# Altium PCB LOGI-BONE.PcbDoc (part 4 of 4)
Units mil, origin at the board's own origin, x right, y up, seen from the top; angles counter-clockwise.
Board outline 3400 x 2252.63 mil, 4 copper layers (Top Layer, GND, VDD, Bottom Layer); 132 components, 150 nets, 640 pads, 358 vias.
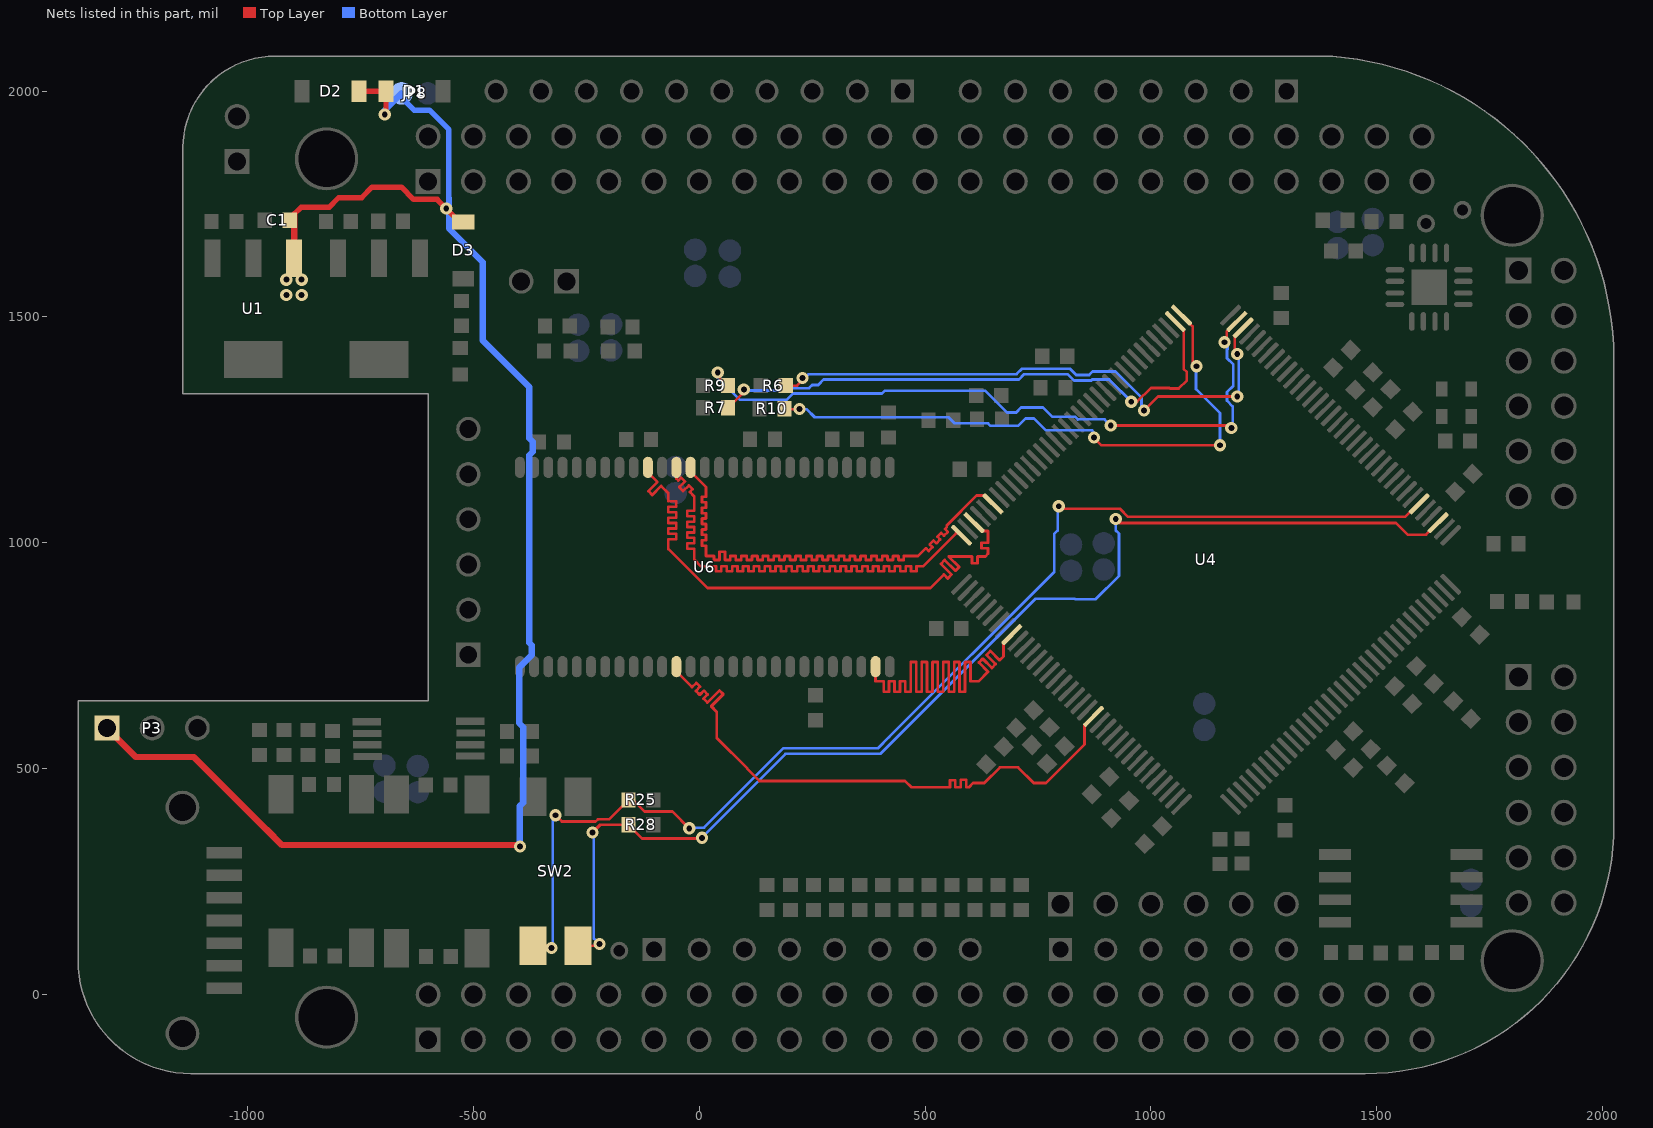
[diagram p6: the nets of this part, all layers, seen from the top]

## Via types
v1: diameter 27, hole 13, Top Layer to Bottom Layer, tented both sides, 194 vias
v2: diameter 27, hole 13, Top Layer to Bottom Layer, 158 vias
v3: diameter 25.98, hole 12.99, Top Layer to Bottom Layer, tented both sides, 4 vias
v4: diameter 27, hole 15, Top Layer to Bottom Layer, tented both sides, 2 vias

## Nets (pads, with @x,y where several pads share a name; then routed paths per layer and width w, separated by ;. In a path a pad name is that pad's centre, name@x,y a point inside that pad or via, vN(x,y) a via of type N, cw(c..) or ccw(c..) an arc to the next point about the centre after c; other vN are vias at no path point) (continued)
SD-DQ15: U4.9 U6.53 | length 2780.4
  Top Layer w6: 390.42,693.45 408.42,693.45 ; 390.42,693.45 U6.53@390.42,726.08 390.42,693.45 ; 390.42,693.45 408.42,693.45 ; 408.42,670.5 408.42,693.45 ; 408.42,670.5 420.42,670.5 ; 408.42,670.5 408.42,693.45 ; 408.42,670.5 420.42,670.5 ; 420.42,670.5 420.42,693.45 ; 420.42,670.5 420.42,693.45 ; 420.42,693.45 432.42,693.45 ; 420.42,693.45 432.42,693.45 ; 432.42,670.5 432.42,693.45 ; 432.42,670.5 444.42,670.5 ; 432.42,670.5 432.42,693.45 ; 432.42,670.5 444.42,670.5 ; 444.42,670.5 444.42,693.45 ; 444.42,670.5 444.42,693.45 ; 444.42,693.45 456.42,693.45 ; 444.42,693.45 456.42,693.45 ; 456.42,670.5 456.42,693.45 ; 456.42,670.5 468.42,670.5 ; 456.42,670.5 456.42,693.45 ; 456.42,670.5 468.42,670.5 ; 468.42,670.5 468.42,736.27 ; 468.42,670.5 468.42,736.27 ; 468.42,736.27 480.42,736.27 ; 468.42,736.27 480.42,736.27 ; 480.42,670.5 480.42,736.27 ; 480.42,670.5 492.42,670.5 ; 480.42,670.5 480.42,736.27 ; 480.42,670.5 492.42,670.5 ; 492.42,670.5 492.42,736.27 ; 492.42,670.5 492.42,736.27 ; 492.42,736.27 504.42,736.27 ; 492.42,736.27 504.42,736.27 ; 504.42,670.5 504.42,736.27 ; 504.42,670.5 516.42,670.5 ; 504.42,670.5 504.42,736.27 ; 504.42,670.5 516.42,670.5 ; 516.42,670.5 516.42,736.27 ; 516.42,670.5 516.42,736.27 ; 516.42,736.27 528.42,736.27 ; 516.42,736.27 528.42,736.27 ; 528.42,670.5 528.42,736.27 ; 528.42,670.5 540.42,670.5 ; 528.42,670.5 528.42,736.27 ; 528.42,670.5 540.42,670.5 ; 540.42,670.5 540.42,736.27 ; 540.42,670.5 540.42,736.27 ; 540.42,736.27 552.42,736.27 ; 540.42,736.27 552.42,736.27 ; 552.42,670.5 552.42,736.27 ; 552.42,670.5 564.42,670.5 ; 552.42,670.5 552.42,736.27 ; 552.42,670.5 564.42,670.5 ; 564.42,670.5 564.42,736.27 ; 564.42,670.5 564.42,736.27 ; 564.42,736.27 576.42,736.27 ; 564.42,736.27 576.42,736.27 ; 576.42,670.5 576.42,736.27 ; 576.42,670.5 588.42,670.5 ; 576.42,670.5 576.42,736.27 ; 576.42,670.5 588.42,670.5 ; 588.42,670.5 588.42,736.27 ; 588.42,670.5 588.42,736.27 ; 588.42,736.27 600.42,736.27 ; 588.42,736.27 600.42,736.27 ; 600.42,693.45 600.42,736.27 ; 600.42,693.45 618.25,693.45 ; 600.42,693.45 600.42,736.27 ; 600.42,693.45 618.25,693.45 ; 618.25,693.45 639.46,714.67 ; 618.25,693.45 639.46,714.67 ; 619.18,734.94 627.67,743.43 ; 619.18,734.94 627.67,743.43 ; 619.18,734.94 639.46,714.67 ; 619.18,734.94 639.46,714.67 ; 627.67,743.43 647.94,723.15 ; 627.67,743.43 647.94,723.15 ; 636.15,751.91 656.43,731.64 ; 636.15,751.91 644.64,760.4 ; 636.15,751.91 656.43,731.64 ; 636.15,751.91 644.64,760.4 ; 644.64,760.4 664.91,740.12 ; 644.64,760.4 664.91,740.12 ; 647.94,723.15 656.43,731.64 ; 647.94,723.15 656.43,731.64 ; 664.91,740.12 673.59,748.8 ; 664.91,740.12 673.59,748.8 ; 673.59,748.8 U4.9@673.59,778.48 ; 673.59,748.8 U4.9@673.59,778.48 ; U4.9@673.59,778.48 U4.9@692.01,796.9 U4.9@673.59,778.48
SD-DQMH: U4.22 U6.39 | length 1384.7
  Top Layer w6: U6.39@-50.52,726.08 -50.52,715.39 -15.79,680.66 -6.41,690.04 2.08,681.55 -7.3,672.17 1.18,663.69 10.29,672.79 18.77,664.31 9.67,655.2 18.15,646.72 44.79,673.35 53.27,664.87 26.64,638.23 38.83,626.04 38.83,567.69 106.5,500.02 106.5,499.76 133.21,473.05 455.48,473.05 469.53,459 555,459 555,474.78 567,474.78 567,459 579,459 579,475.27 591,475.27 591,459 597,459 606.5,468.5 631.09,468.5 665.59,503 706.18,503 740.68,468.5 767.62,468.5 852.9,553.79 852.9,595.89 U4.22@872.96,615.95
SD-DQML: U4.139 U6.15 | length 2800.5
  Top Layer w6: U6.15@-19.03,1157.68 U6.15@-19.03,1167.02 U6.15@-19.03,1157.68 ; U6.15@-19.03,1157.68 15,1123.66 ; U6.15@-19.03,1157.68 15,1123.66 ; 6,993.78 6,1005.78 ; 6,993.78 15,993.78 ; 6,993.78 6,1005.78 ; 6,993.78 15,993.78 ; 6,1005.78 15,1005.78 ; 6,1005.78 15,1005.78 ; 6,1017.78 6,1029.78 ; 6,1017.78 15,1017.78 ; 6,1017.78 6,1029.78 ; 6,1017.78 15,1017.78 ; 6,1029.78 15,1029.78 ; 6,1029.78 15,1029.78 ; 6,1041.78 6,1053.78 ; 6,1041.78 15,1041.78 ; 6,1041.78 6,1053.78 ; 6,1041.78 15,1041.78 ; 6,1053.78 15,1053.78 ; 6,1053.78 15,1053.78 ; 6,1065.78 6,1077.78 ; 6,1065.78 15,1065.78 ; 6,1065.78 6,1077.78 ; 6,1065.78 15,1065.78 ; 6,1077.78 15,1077.78 ; 6,1077.78 15,1077.78 ; 6,1089.78 6,1101.78 ; 6,1089.78 15,1089.78 ; 6,1089.78 6,1101.78 ; 6,1089.78 15,1089.78 ; 6,1101.78 15,1101.78 ; 6,1101.78 15,1101.78 ; 15,971 15,978 ; 15,971 21,971 ; 15,971 15,978 ; 15,971 21,971 ; 15,978 15,981.78 ; 15,978 15,981.78 ; 15,981.78 15,993.78 ; 15,981.78 15,993.78 ; 15,1005.78 15,1017.78 ; 15,1005.78 15,1017.78 ; 15,1029.78 15,1041.78 ; 15,1029.78 15,1041.78 ; 15,1053.78 15,1065.78 ; 15,1053.78 15,1065.78 ; 15,1077.78 15,1089.78 ; 15,1077.78 15,1089.78 ; 15,1101.78 15,1113.78 ; 15,1101.78 15,1113.78 ; 15,1113.78 15,1119.78 ; 15,1113.78 15,1119.78 ; 15,1119.78 15,1123.66 ; 15,1119.78 15,1123.66 ; 21,971 33,971 ; 21,971 33,971 ; 33,962 33,971 ; 33,962 45,962 ; 33,962 33,971 ; 33,962 45,962 ; 45,962 45,971 ; 45,962 45,971 ; 45,971 45,980 ; 45,971 45,980 ; 45,980 57,980 ; 45,980 57,980 ; 57,962 57,971 ; 57,962 69,962 ; 57,962 57,971 ; 57,962 69,962 ; 57,971 57,980 ; 57,971 57,980 ; 69,962 69,971 ; 69,962 69,971 ; 69,971 81,971 ; 69,971 81,971 ; 81,962 81,971 ; 81,962 93,962 ; 81,962 81,971 ; 81,962 93,962 ; 93,962 93,971 ; 93,962 93,971 ; 93,971 105,971 ; 93,971 105,971 ; 105,962 105,971 ; 105,962 117,962 ; 105,962 105,971 ; 105,962 117,962 ; 117,962 117,971 ; 117,962 117,971 ; 117,971 129,971 ; 117,971 129,971 ; 129,962 129,971 ; 129,962 141,962 ; 129,962 129,971 ; 129,962 141,962 ; 141,962 141,971 ; 141,962 141,971 ; 141,971 153,971 ; 141,971 153,971 ; 153,962 153,971 ; 153,962 165,962 ; 153,962 153,971 ; 153,962 165,962 ; 165,962 165,971 ; 165,962 165,971 ; 165,971 177,971 ; 165,971 177,971 ; 177,962 177,971 ; 177,962 189,962 ; 177,962 177,971 ; 177,962 189,962 ; 189,962 189,971 ; 189,962 189,971 ; 189,971 201,971 ; 189,971 201,971 ; 201,962 201,971 ; 201,962 213,962 ; 201,962 201,971 ; 201,962 213,962 ; 213,962 213,971 ; 213,962 213,971 ; 213,971 225,971 ; 213,971 225,971 ; 225,962 225,971 ; 225,962 237,962 ; 225,962 225,971 ; 225,962 237,962 ; 237,962 237,971 ; 237,962 237,971 ; 237,971 249,971 ; 237,971 249,971 ; 249,962 249,971 ; 249,962 261,962 ; 249,962 249,971 ; 249,962 261,962 ; 261,962 261,971 ; 261,962 261,971 ; 261,971 273,971 ; 261,971 273,971 ; 273,962 273,971 ; 273,962 285,962 ; 273,962 273,971 ; 273,962 285,962 ; 285,962 285,971 ; 285,962 285,971 ; 285,971 297,971 ; 285,971 297,971 ; 297,962 297,971 ; 297,962 309,962 ; 297,962 297,971 ; 297,962 309,962 ; 309,962 309,971 ; 309,962 309,971 ; 309,971 321,971 ; 309,971 321,971 ; 321,962 321,971 ; 321,962 333,962 ; 321,962 321,971 ; 321,962 333,962 ; 333,962 333,971 ; 333,962 333,971 ; 333,971 345,971 ; 333,971 345,971 ; 345,962 345,971 ; 345,962 357,962 ; 345,962 345,971 ; 345,962 357,962 ; 357,962 357,971 ; 357,962 357,971 ; 357,971 369,971 ; 357,971 369,971 ; 369,962 369,971 ; 369,962 381,962 ; 369,962 369,971 ; 369,962 381,962 ; 381,962 381,971 ; 381,962 381,971 ; 381,971 393,971 ; 381,971 393,971 ; 393,962 393,971 ; 393,962 405,962 ; 393,962 393,971 ; 393,962 405,962 ; 405,962 405,971 ; 405,962 405,971 ; 405,971 417,971 ; 405,971 417,971 ; 417,962 417,971 ; 417,962 429,962 ; 417,962 417,971 ; 417,962 429,962 ; 429,962 429,971 ; 429,962 429,971 ; 429,971 441,971 ; 429,971 441,971 ; 441,962 441,971 ; 441,962 453,962 ; 441,962 441,971 ; 441,962 453,962 ; 453,962 453,971 ; 453,962 453,971 ; 453,971 465,971 ; 453,971 465,971 ; 465,971 477,971 ; 465,971 477,971 ; 477,971 484.37,971 ; 477,971 484.37,971 ; 484.37,971 488.61,975.24 ; 484.37,971 488.61,975.24 ; 488.61,975.24 493.16,979.79 ; 488.61,975.24 486.19,972.81 488.61,975.24 ; 488.61,975.24 493.16,979.79 ; 493.16,979.79 501.65,988.28 ; 493.16,979.79 501.65,988.28 ; 501.65,988.28 508.01,981.91 ; 501.65,988.28 508.01,981.91 ; 508.01,981.91 516.5,990.4 ; 508.01,981.91 516.5,990.4 ; 510.13,996.76 518.62,1005.25 ; 510.13,996.76 516.5,990.4 ; 510.13,996.76 518.62,1005.25 ; 510.13,996.76 516.5,990.4 ; 518.62,1005.25 524.98,998.88 ; 518.62,1005.25 524.98,998.88 ; 524.98,998.88 533.47,1007.37 ; 524.98,998.88 533.47,1007.37 ; 527.1,1013.73 535.59,1022.22 ; 527.1,1013.73 533.47,1007.37 ; 527.1,1013.73 535.59,1022.22 ; 527.1,1013.73 533.47,1007.37 ; 535.59,1022.22 541.95,1015.85 ; 535.59,1022.22 541.95,1015.85 ; 541.95,1015.85 550.44,1024.34 ; 541.95,1015.85 550.44,1024.34 ; 544.07,1030.7 548.32,1034.95 ; 544.07,1030.7 550.44,1024.34 ; 544.07,1030.7 548.32,1034.95 ; 544.07,1030.7 550.44,1024.34 ; 548.32,1034.95 548.32,1038.98 ; 548.32,1034.95 548.32,1038.98 ; 548.32,1038.98 614.19,1104.85 ; 548.32,1038.98 614.19,1104.85 ; 614.19,1104.85 U4.139@631.83,1104.85 ; 614.19,1104.85 U4.139@631.83,1104.85 ; U4.139@631.83,1104.85 U4.139@650.25,1086.43 U4.139@631.83,1104.85
SD-RAS: U4.142 U6.18 | length 2880.8
  Top Layer w6: U6.18@-113.52,1155.15 U6.18@-113.52,1167.02 U6.18@-113.52,1155.15 ; U6.18@-113.52,1155.15 -92.64,1134.27 ; U6.18@-113.52,1155.15 -92.64,1134.27 ; -112.44,1114.47 -103.96,1105.99 ; -112.44,1114.47 -92.64,1134.27 ; -112.44,1114.47 -103.96,1105.99 ; -112.44,1114.47 -92.64,1134.27 ; -103.96,1105.99 -84.16,1125.79 ; -103.96,1105.99 -84.16,1125.79 ; -84.16,1125.79 -68.22,1109.85 ; -84.16,1125.79 -68.22,1109.85 ; -68.22,986.49 18.27,900 ; -68.22,986.49 -68.22,1007.85 ; -68.22,986.49 18.27,900 ; -68.22,986.49 -68.22,1007.85 ; -68.22,1007.85 -50.52,1007.85 ; -68.22,1007.85 -50.52,1007.85 ; -68.22,1019.85 -50.52,1019.85 ; -68.22,1019.85 -68.22,1031.85 ; -68.22,1019.85 -50.52,1019.85 ; -68.22,1019.85 -68.22,1031.85 ; -68.22,1031.85 -50.52,1031.85 ; -68.22,1031.85 -50.52,1031.85 ; -68.22,1043.85 -50.52,1043.85 ; -68.22,1043.85 -68.22,1055.85 ; -68.22,1043.85 -50.52,1043.85 ; -68.22,1043.85 -68.22,1055.85 ; -68.22,1055.85 -50.52,1055.85 ; -68.22,1055.85 -50.52,1055.85 ; -68.22,1067.85 -50.52,1067.85 ; -68.22,1067.85 -68.22,1079.85 ; -68.22,1067.85 -50.52,1067.85 ; -68.22,1067.85 -68.22,1079.85 ; -68.22,1079.85 -50.52,1079.85 ; -68.22,1079.85 -50.52,1079.85 ; -68.22,1091.85 -68.22,1109.85 ; -68.22,1091.85 -50.52,1091.85 ; -68.22,1091.85 -68.22,1109.85 ; -68.22,1091.85 -50.52,1091.85 ; -50.52,1007.85 -50.52,1019.85 ; -50.52,1007.85 -50.52,1019.85 ; -50.52,1031.85 -50.52,1043.85 ; -50.52,1031.85 -50.52,1043.85 ; -50.52,1055.85 -50.52,1067.85 ; -50.52,1055.85 -50.52,1067.85 ; -50.52,1079.85 -50.52,1091.85 ; -50.52,1079.85 -50.52,1091.85 ; 18.27,900 511.97,900 ; 18.27,900 511.97,900 ; 511.97,900 541.71,929.74 ; 511.97,900 541.71,929.74 ; 534.95,953.48 558.68,929.74 ; 534.95,953.48 543.43,961.96 ; 534.95,953.48 558.68,929.74 ; 534.95,953.48 543.43,961.96 ; 541.71,929.74 550.2,921.26 ; 541.71,929.74 550.2,921.26 ; 543.43,961.96 567.17,938.23 ; 543.43,961.96 567.17,938.23 ; 550.2,921.26 558.68,929.74 ; 550.2,921.26 558.68,929.74 ; 552.37,970 575.65,946.71 ; 552.37,970 562,970 ; 552.37,970 575.65,946.71 ; 552.37,970 562,970 ; 562,970 568,970 ; 562,970 568,970 ; 567.17,938.23 575.65,946.71 ; 567.17,938.23 575.65,946.71 ; 568,970 580,970 ; 568,970 580,970 ; 580,970 592,970 ; 580,970 592,970 ; 592,970 604,970 ; 592,970 604,970 ; 604,955 604,970 ; 604,955 616,955 ; 604,955 604,970 ; 604,955 616,955 ; 616,955 616,970 ; 616,955 616,970 ; 616,970 633.46,970 ; 616,970 633.46,970 ; 624.99,988 639.46,988 ; 624.99,988 624.99,1000 ; 624.99,988 639.46,988 ; 624.99,988 624.99,1000 ; 624.99,1000 639.46,1000 ; 624.99,1000 639.46,1000 ; U4.142@626.92,1026.25 U4.142@608.5,1044.67 U4.142@626.92,1026.25 ; U4.142@626.92,1026.25 639.46,1026.25 ; U4.142@626.92,1026.25 639.46,1026.25 ; 633.46,970 639.46,976 ; 633.46,970 639.46,976 ; 639.46,976 639.46,988 ; 639.46,976 639.46,988 ; 639.46,1000 639.46,1012 ; 639.46,1000 639.46,1012 ; 639.46,1012 639.46,1024 ; 639.46,1012 639.46,1024 ; 639.46,1024 639.46,1026.25 ; 639.46,1024 639.46,1026.25
SD-WE: U4.144 U6.16 | length 2892.5
  Top Layer w6: -50.52,1142.3 U6.16@-50.52,1167.02 -50.52,1142.3 ; -50.52,1142.3 -46.28,1138.06 ; -50.52,1142.3 -46.28,1138.06 ; -46.28,1138.06 -39.92,1144.42 ; -46.28,1138.06 -39.92,1144.42 ; -44.16,1123.21 -37.79,1129.57 ; -44.16,1123.21 -35.67,1114.72 ; -44.16,1123.21 -37.79,1129.57 ; -44.16,1123.21 -35.67,1114.72 ; -39.92,1144.42 -31.43,1135.93 ; -39.92,1144.42 -31.43,1135.93 ; -37.79,1129.57 -31.43,1135.93 ; -37.79,1129.57 -31.43,1135.93 ; -35.67,1114.72 -22.95,1127.45 ; -35.67,1114.72 -22.95,1127.45 ; -26.52,987 -26.52,999 ; -26.52,987 -11,987 ; -26.52,987 -26.52,999 ; -26.52,987 -11,987 ; -26.52,999 -11,999 ; -26.52,999 -11,999 ; -26.52,1011 -26.52,1023 ; -26.52,1011 -11,1011 ; -26.52,1011 -26.52,1023 ; -26.52,1011 -11,1011 ; -26.52,1023 -11,1023 ; -26.52,1023 -11,1023 ; -26.52,1035 -26.52,1047 ; -26.52,1035 -11,1035 ; -26.52,1035 -26.52,1047 ; -26.52,1035 -11,1035 ; -26.52,1047 -11,1047 ; -26.52,1047 -11,1047 ; -26.52,1059 -26.52,1071 ; -26.52,1059 -11,1059 ; -26.52,1059 -26.52,1071 ; -26.52,1059 -11,1059 ; -26.52,1071 -11,1071 ; -26.52,1071 -11,1071 ; -22.95,1127.45 -14.46,1118.96 ; -22.95,1127.45 -14.46,1118.96 ; -20.82,1112.6 -14.46,1118.96 ; -20.82,1112.6 -11,1102.78 ; -20.82,1112.6 -14.46,1118.96 ; -20.82,1112.6 -11,1102.78 ; -11,963.22 -11,987 ; -11,963.22 4.22,948 ; -11,963.22 -11,987 ; -11,963.22 4.22,948 ; -11,999 -11,1011 ; -11,999 -11,1011 ; -11,1023 -11,1035 ; -11,1023 -11,1035 ; -11,1047 -11,1059 ; -11,1047 -11,1059 ; -11,1071 -11,1102.78 ; -11,1071 -11,1102.78 ; 4.22,948 37,948 ; 4.22,948 37,948 ; 37,937 37,948 ; 37,937 49,937 ; 37,937 37,948 ; 37,937 49,937 ; 49,937 49,948 ; 49,937 49,948 ; 49,948 61,948 ; 49,948 61,948 ; 61,937 61,948 ; 61,937 73,937 ; 61,937 61,948 ; 61,937 73,937 ; 73,937 73,948 ; 73,937 73,948 ; 73,948 85,948 ; 73,948 85,948 ; 85,937 85,948 ; 85,937 97,937 ; 85,937 85,948 ; 85,937 97,937 ; 97,937 97,948 ; 97,937 97,948 ; 97,948 109,948 ; 97,948 109,948 ; 109,937 109,948 ; 109,937 121,937 ; 109,937 109,948 ; 109,937 121,937 ; 121,937 121,948 ; 121,937 121,948 ; 121,948 133,948 ; 121,948 133,948 ; 133,937 133,948 ; 133,937 145,937 ; 133,937 133,948 ; 133,937 145,937 ; 145,937 145,948 ; 145,937 145,948 ; 145,948 157,948 ; 145,948 157,948 ; 157,937 157,948 ; 157,937 169,937 ; 157,937 157,948 ; 157,937 169,937 ; 169,937 169,948 ; 169,937 169,948 ; 169,948 181,948 ; 169,948 181,948 ; 181,937 181,948 ; 181,937 193,937 ; 181,937 181,948 ; 181,937 193,937 ; 193,937 193,948 ; 193,937 193,948 ; 193,948 205,948 ; 193,948 205,948 ; 205,937 205,948 ; 205,937 217,937 ; 205,937 205,948 ; 205,937 217,937 ; 217,937 217,948 ; 217,937 217,948 ; 217,948 229,948 ; 217,948 229,948 ; 229,937 229,948 ; 229,937 241,937 ; 229,937 229,948 ; 229,937 241,937 ; 241,937 241,948 ; 241,937 241,948 ; 241,948 253,948 ; 241,948 253,948 ; 253,937 253,948 ; 253,937 265,937 ; 253,937 253,948 ; 253,937 265,937 ; 265,937 265,948 ; 265,937 265,948 ; 265,948 277,948 ; 265,948 277,948 ; 277,937 277,948 ; 277,937 289,937 ; 277,937 277,948 ; 277,937 289,937 ; 289,937 289,948 ; 289,937 289,948 ; 289,948 301,948 ; 289,948 301,948 ; 301,937 301,948 ; 301,937 313,937 ; 301,937 301,948 ; 301,937 313,937 ; 313,937 313,948 ; 313,937 313,948 ; 313,948 325,948 ; 313,948 325,948 ; 325,937 325,948 ; 325,937 337,937 ; 325,937 325,948 ; 325,937 337,937 ; 337,937 337,948 ; 337,937 337,948 ; 337,948 349,948 ; 337,948 349,948 ; 349,937 349,948 ; 349,937 361,937 ; 349,937 349,948 ; 349,937 361,937 ; 361,937 361,948 ; 361,937 361,948 ; 361,948 373,948 ; 361,948 373,948 ; 373,937 373,948 ; 373,937 385,937 ; 373,937 373,948 ; 373,937 385,937 ; 385,937 385,948 ; 385,937 385,948 ; 385,948 397,948 ; 385,948 397,948 ; 397,937 397,948 ; 397,937 409,937 ; 397,937 397,948 ; 397,937 409,937 ; 409,937 409,948 ; 409,937 409,948 ; 409,948 421,948 ; 409,948 421,948 ; 421,937 421,948 ; 421,937 433,937 ; 421,937 421,948 ; 421,937 433,937 ; 433,937 433,948 ; 433,937 433,948 ; 433,948 445,948 ; 433,948 445,948 ; 445,937 445,948 ; 445,937 457,937 ; 445,937 445,948 ; 445,937 457,937 ; 457,937 457,948 ; 457,937 457,948 ; 457,948 469,948 ; 457,948 469,948 ; 469,937 469,948 ; 469,937 481,937 ; 469,937 469,948 ; 469,937 481,937 ; 481,937 481,948 ; 481,937 481,948 ; 481,948 495.53,948 ; 481,948 495.53,948 ; 495.53,948 568.53,1021 ; 495.53,948 568.53,1021 ; 568.53,1021 U4.144@576.48,1021 ; 568.53,1021 U4.144@576.48,1021 ; U4.144@576.48,1021 U4.144@580.66,1016.83 U4.144@576.48,1021
SW0: R28.2 SW2.A2 U4.75 | length 2596.9
  Top Layer w6: SW2.A2@-267.87,108 -225,108 v2(-221,112) ; v2(-236,359) -219,376 R28.2@-156.66,376 -126.16,345.5 4.5,345.5 v2(6,347) ; v2(922.22,1053) 931.22,1044 1542.36,1044 1568.31,1018.05 1609.13,1018.05 U4.75@1635.75,1044.67
  Bottom Layer w6: v2(-236,359) -233.19,356.19 -233.19,124.19 v2(-221,112) ; v2(6,347) 6,347.82 191.18,533 400.79,533 743.97,876.18 831.64,876.18 832.35,875.47 877.95,875.47 929.52,927.04 929.52,1020.47 922.22,1027.77 v2(922.22,1053)
SW1: R25.2 SW2.A1 U4.78 | length 2701
  Top Layer w6: SW2.A1@-367.87,108 -332,108 v2(-327,103) ; v2(-318,397) -304,383 -229.41,383 -224.41,388 -199.66,388 R25.2@-156.66,431 -146.75,431 -121.02,405.27 -59.27,405.27 v2(-22,368) ; v2(796,1081) 801.5,1075.5 931.54,1075.5 949.54,1057.5 1562.77,1057.5 1591.69,1086.43 U4.78@1593.99,1086.43
  Bottom Layer w6: v2(-327,103) -324,106 -324,391 v2(-318,397) ; v2(-22,368) -20.5,369.5 10.5,369.5 186,545 395.32,545 420.12,569.8 420.62,569.8 785.71,934.89 785.71,1019.38 793.5,1027.17 793.5,1078.5 v2(796,1081)
TCK: R10.2 U4.109 | length 1349.8
  Top Layer w6: R10.2@188.56,1297 189.56,1296 v2(222,1296) ; v1(874,1233) 891,1216 v2(1153,1216) ; U4.109@1067.84,1504.01 1092.5,1479.35 1092.5,1397.5 1100,1390 v2(1101,1391)
  Bottom Layer w6: v2(222,1296) 237.82,1296 255.82,1278 552.21,1278 565.71,1264.5 639.47,1264.5 644.97,1259 706.18,1259 722.68,1275.5 741.32,1275.5 767.82,1249 870,1249 880,1239 v1(874,1233) ; v2(1101,1391) 1100,1390 1100,1340.23 1153,1287.23 v2(1153,1216)
TDI: R7.2 U4.110 | length 1240.1
  Top Layer w6: R7.2@63.56,1299 98.81,1334.25 v2(98.81,1339.39) ; v1(956.5,1312.5) 969.68,1312.5 1000.18,1343 1041.18,1343 1042.68,1341.5 1061.32,1341.5 1079.5,1359.68 1079.5,1378.32 1072.5,1385.32 1072.5,1471.51 U4.110@1053.92,1490.09
  Bottom Layer w6: v2(98.81,1339.39) 100.7,1337.5 197.74,1337.5 202.74,1342.5 243.32,1342.5 250.32,1349.5 263.5,1349.5 275.5,1361.5 707.59,1361.5 719.59,1373.5 815.74,1373.5 829.74,1359.5 868.26,1359.5 870.26,1361.5 907.5,1361.5 v1(956.5,1312.5)
TDO: R6.2 U4.106 | length 1264.2
  Top Layer w6: R6.2@191.56,1348 217,1348 229,1360 v2(229,1365) ; v2(985,1293) 1016,1324 v1(1191,1324) ; v1(1191,1418) 1192,1419 1185.83,1425.17 1185.83,1457.75 U4.106@1204.25,1476.17
  Bottom Layer w6: v2(229,1365) 229,1360 242.5,1373.5 702.62,1373.5 714.62,1385.5 820.71,1385.5 834.71,1371.5 863.29,1371.5 871.05,1379.26 921.56,1379.26 979,1321.82 979,1299 v2(985,1293) ; v1@1187.13,1325 1194.5,1332.37 1194.5,1416.5 1192,1419 v1(1191,1418)
TMS: R9.2 U4.107 | length 1527.2
  Top Layer w6: v2(41,1377) 41,1370.56 R9.2@63.56,1348 ; v1(911,1260) 1172,1260 v1(1178,1254) ; v1@1168,1448 1168,1467.76 U4.107@1190.33,1490.09
  Bottom Layer w6: v2(41,1377) 41,1365.38 89.49,1316.89 194.1,1316.89 207.71,1330.5 404.68,1330.5 410.68,1336.5 633.47,1336.5 681.29,1288.68 701.92,1288.68 712.74,1299.5 761.31,1299.5 781.44,1279.38 831.77,1279.38 838.15,1273 838.76,1273 839.26,1273.5 897.5,1273.5 v1(911,1260) ; v1(1163,1444) 1163,1443 1169.5,1436.5 1169.5,1428.32 1168.5,1427.32 1168.5,1408.68 1182.5,1394.68 1182.5,1347.77 1168.5,1333.77 1168.5,1314.68 1181,1302.18 1181,1251 v1(1178,1254)
VIN_5V: C1.1 D1.1 D2.1 D3.2 JP8.2 P3.1 U1.1 | length 3547.2
  Top Layer w12: C1.1@-896.45,1727.55 -881.12,1742.88 -819.3,1742.88 -798.17,1764 -747.42,1764 -723.92,1787.5 -659.47,1787.5 -632.47,1760.5 -580.21,1760.5 v2(-560,1740.29) D3.2@-530.42,1710.71 ; D2.1@-753.01,2000 D1.1@-693.36,2000 v2@-693.36,1946.5
  Top Layer w14: P3.1@-1311,590 -1247,526 -1118.75,526 -958.17,365.41 -957.87,365.41 -923.46,331 v2@-397,331 ; U1.1@-896.45,1630.27 C1.1@-896.45,1727.55
  Bottom Layer w12: JP8.2@-659,1995 -659,1986.08 -630.91,1957.99 -596.99,1957.99 -554,1915 -554,1763
  Bottom Layer w14: v2(-696,1948.5) -696,1958 JP8.2@-659,1995 ; -554,1763 -554,1696.48 -479,1621.48 -479,1448 -376,1345 -376,1231.86 -368.11,1223.98 -368.11,1202.02 -376,1194.14 -376,778.81 -370.87,773.68 -370.87,751.72 -398.5,724.09 -398.5,601.02 -389.5,592.02 -389.5,425.02 -397,417.52 v2(-397,328)
  other v1: -914,1548.67 -880,1548.67 -914,1582.67 -880,1582.67
pads on no net: P8.20 P8.26 P8.27 P8.28 P8.29 P8.30 P8.31 P8.32 P8.33 P8.34 P8.35 P8.36 P8.37 P8.38 P8.39 P8.40 P8.41 P8.42 P8.43 P8.44 P8.45 P8.46 P9.3 P9.4 P9.5 P9.6 P9.9 P9.11 P9.13 P9.14 P9.15 P9.16 P9.17 P9.18 P9.21 P9.22 P9.23 P9.24 P9.25 P9.26 P9.27 P9.32 P9.34 P9.35 P9.41 P9.42 PA-1.A1 PA-1.A3 PA-1.A8 PA-4.D8 U4.72 U6.40
copper on no net: | length 361.3
  GND w10: 1857.5,1725 ccw(c1800,1725) 1857.5,1725

## Polygon pours and split planes (outlines as drawn)
GND on Bottom Layer "GND_BOT" (solid, remove dead copper, pour order 11): -1375,75 -1375,650 -600,650 -600,1330 -1143,1330 -1143,1875.3 cw(c-938.98,1873.6) -923,2077 1402,2077 cw(c1350.8,1404.73) 2025,1410 2025,375 cw(c1475,375) 1475,-175 -1125,-175 cw(c-1125,75)
GND on Top Layer "GND_TOP" (solid, remove dead copper, pour order 10): -1401.3,112.76 -1401.3,687.76 -626.3,687.76 -626.3,1367.76 -1169.3,1367.76 -1169.3,1913.06 cw(c-965.28,1911.36) -949.3,2114.76 1375.7,2114.76 cw(c1324.51,1442.49) 1998.7,1447.76 1998.7,412.76 cw(c1448.7,412.76) 1448.7,-137.24 -1151.3,-137.24 cw(c-1151.3,112.76)
1V2 on VDD "1V2" (solid, remove dead copper, pour order 8): 674.51,1041 859.35,1229 1348.11,1229 1425.79,1170 1426,1168.99 1341,659 992,553.5 680,915.08
3V3 on VDD "VDD" (solid, remove dead copper, pour order 12): -1375,75 -1375,650 -600,650 -600,1330 -1143,1330 -1143,1875.3 cw(c-938.98,1873.6) -923,2077 1402,2077 cw(c1350.8,1404.73) 2025,1410 2025,375 cw(c1475,375) 1475,-175 -1125,-175 cw(c-1125,75)
GND on VDD "GND_VDD_PLANE" (solid, pour order 7): -1117.51,1531.92 -1117.51,1343.49 -1120,1341 -1117,1338 -547,1338 -547,1516.1 -558.96,1528.07 -662.2,1528.07 -662,1626 -663,1626 -1023,1624 -1024,1535.98 -1019.94,1531.92
GND on GND "GND" (solid, remove dead copper, pour order 9): -1375,75 -1375,650 -600,650 -600,1330 -1143,1330 -1143,1875.3 cw(c-938.98,1873.6) -923,2077 1402,2077 cw(c1350.8,1404.73) 2025,1410 2025,375 cw(c1475,375) 1475,-175 -1125,-175 cw(c-1125,75)

## Keep-outs
Keep-Out Layer:
  the board outline again, w30
Mechanical 5:
  lines w35: -1375,75 ccw(c-1125,75) -1125,-175 1475,-175 ccw(c1475,375) 2025,375 2025,1425 ccw(c1475,1425) 1475,1975 -1143,1975 -1143,1350 -600,1350 -600,650 -1375,650 -1375,75
Mechanical 11:
  lines w30: -1143,1330 -600,1330 -600,650 -1375,650 -1375,75 ccw(c-1125,75) -1125,-175 1596.18,-175 ; 2125,461.95 2125,1475.13
  lines w35: -1375,75 ccw(c-1125,75) -1125,-175 1475,-175 ccw(c1475,375) 2025,375 2025,1425 ccw(c1475,1425) 1475,1975 -1143,1975 -1143,1350 -600,1350 -600,650 -1375,650 -1375,75

## Other copper
Top Layer:
  rectangle net GND: -645,1428.07 -578,1490.07
  rectangle net GND: -711,1445.07 -644,1507.07
  rectangle net 1V2: -833,1529.27 -766,1591.27
  rectangle net GND: -837.59,1427.07 -770.59,1489.07
  rectangle net GND: -923,1426 -856,1488
  rectangle net GND: -988,1446.07 -921,1508.07
  rectangle net GND: -1054,1446.07 -987,1508.07
  rectangle net 3V3: -652,1528.07 -585,1590.07
  rectangle net 3V3: -1109,1534.07 -1042,1596.07
  rectangle net GND: -1117,1364.5 -1050,1426.5
  rectangle net GND: -1117,1426 -1050,1488
  rectangle net GND: -923,1364.5 -856,1426.5
  rectangle net GND: -645,1366 -578,1428
  rectangle net GND: -775,1446.07 -708,1508.07
  rectangle net GND: -838,1365 -771,1427
  rectangle net GND: -1020,1534.87 -953,1596.87
  rectangle net GND: -741,1529 -674,1591
  rectangle net VIN_5V: -931,1534.67 -864,1596.67
Bottom Layer:
  rectangle net 1V2: 682,940 742,1003

## Silkscreen, mask and mechanical layers (free items; w line width, h text height)
Top Overlay:
  text "GND" at -987,2029 h70 r270
  text "PA4" at -513,1953 h60 r90
  text "PA3" at 1404,1953 h60 r90
  text "VIN" at -1121,1934 h70 r270
  text "5V" at -986,1875 h75 r270
  text "GND" at -645,1836 h50
  text "FPGA" at -411,1673 h60
  text "RESET" at -424,1626 h60
  text "PWR" at -489,1491 h60 r270
  text "LED0" at -222,1350 h70
  text "LED1" at -402,1349.13 h70
  text "TMS" at -468,1285 h50 r270
  text "PMOD1" at 1778,1247 h70 r90
  text "FPGA JTAG" at -587,1204.77 h70 r270
  text "TDI" at -467,1182 h50 r270
  text "GND" at 1879,1162 h50 r90
  text "TDO" at -467,1091 h50 r270
  text "3V3" at 1880,1064 h50 r90
  text "TCK" at -466,983 h50 r270
  text "DONE" at 1754,900 h70
  text "GND" at -465,884 h50 r270
  text "3V" at -466,770 h50 r270
  text "VOUT" at -1066,641 h60 r270
  text "3V" at -1196,559 h60 r180
  text "5V" at -1292,557 h60 r180
  text "GND" at -1067,556 h60 r180
  text "LOGi-Bone R1.0" at -79,523 h80
  text "V2014.03.18" at 87,465 h80
  text "1" at -439,422 h90
  text "0" at -232,420 h90
  text "PMOD2" at 1778,376 h70 r90
  text "USER" at -175,287 h80
  text "GND" at 1880,259 h50 r90
  text "A1" at 874.91,236.01 h60
  text "A2" at 975,234 h60
  text "A0" at 766,233 h60
  text "SW" at -175,232 h80
  text "A3" at 1080,231 h60
  text "A5" at 1264.41,231.01 h60
  text "A4" at 1169.5,228.83 h55
  text "3V3" at 1878,161 h50 r90
  text "PA1" at 694,52 h60 r90
  text "PA2" at 740,52 h60 r90
  text "5V" at -326,-61 h50
  text "SDA" at 261,-61 h50
  text "GND" at -643,-62 h50
  text "MO" at 773,-62 h50
  text "SS" at 673,-63 h50
  text "GND" at 1454,-65 h50
  text "GND" at 1560,-65 h50
  text "5V" at -326,-160 h50
  text "MI" at 776,-160 h50
  text "SCK" at 863,-160 h50
  text "SCL" at 263,-161 h50
Bottom Overlay:
  text "D9" at 372,2033 h60
  text "SCL" at -421,2029.75 h60
  text "SDA" at -299.5,2029.69 h60
  text "SCK" at -21,2030 h60
  text "MO" at 177,2030 h60
  text "D8" at 480,2029.86 h60
  text "D6" at 721,2029.8 h60
  text "D5" at 828,2029.8 h60
  text "D3" at 1032,2029.8 h60
  text "GND" at -135,2029 h60
  text "MI" at 64,2029 h60
  text "D7" at 623.92,2029.02 h60
  text "D4" at 935.5,2029.14 h60
  text "D2" at 1135,2029.02 h60
  text "TX" at 1235,2029.02 h60
  text "RX" at 1330.63,2029.02 h60
  text "SS" at 264,2028 h60
  text "DIODE" at -710,2009.8 h60
  text "BYPASS" at -710,1962 h60
  text "5V" at -986,1918 h75 r270
  text "RX" at 1224,1838 h50
  text "GND" at -546,1833.22 h60
  text "VIN" at -1110,1815 h80 r270
  text "GND" at -982,1744 h75 r270
  text "TX" at 1223,1737 h50
  text "FPGA" at -271,1667 h60
  text "I2C" at -90,1662 h60 r90
  text "SEL" at -45,1662 h60 r90
  text "A1" at 1442,1632 h80 r90
  text "A0" at 1503,1629 h70 r90
  text "8P" at 1776.89,1627 h60 r90
  text "RESET" at -266,1620 h60
  text "1P" at 1984,1608 h60 r90
  text "PMOD Compatible" at 1879,1602.81 h40 r90
  text "8N" at 1776.89,1533 h60 r90
  text "1N" at 1984,1532 h60 r90
  text "PMOD1" at 1725,1523 h70 r90
  text "LVDS" at 1677,1503 h80 r90
  text "LED" at -348,1501.32 h60 r90
  text "SEL" at -302,1501.32 h60 r90
  text "EXPANDER" at 1505,1497 h60
  text "ADDR" at 1512,1444 h60
  text "2P" at 1984,1432 h60 r90
  text "7P" at 1777.74,1429 h60 r90
  text "7N" at 1777.74,1336 h60 r90
  text "2N" at 1984,1335 h60 r90
  text "SDRAM-CS" at -100,1324 h60 r90
  text "GND" at 1879,1249 h50 r90
  text "TMS" at -364,1219 h60
  text "V2014.03.18" at 716,1196 h120
  text "LOGI-BONE R1.0" at 594,1140 h50
  text "3V3" at 1880,1139 h50 r90
  text "TDI" at -364,1116 h60
  text "TDO" at -364,1019 h60
  text "TCK" at -364,915 h60
  text "M[1:0]" at 945,844 h70
  text "FPGA JTAG" at -344,823 h75 r270
  text "GND" at -364,809 h60
  text "MODE SELECT" at 943.89,765.95 h70
  text "3P" at 1987,740 h60 r90
  text "6P" at 1777,726 h60 r90
  text "PMOD Compatible" at 1877,717 h40 r90
  text "PB0" at 1168,716 h60
  text "SELF CFG: 01" at 943.89,708.04 h70
  text "3V3" at -364,706 h60
  text "RESET" at 1169,675 h60
  text "SLAVE CFG: 11" at 946.76,648.55 h70
  text "3N" at 1987,643 h60 r90
  text "6N" at 1777,636 h60 r90
  text "PMOD2" at 1730,625 h70 r90
  text "LVDS" at 1679,610 h80 r90
  text "DEFAULT: 11" at 944.02,590.4 h70
  text "4P" at 1987.67,535 h60 r90
  text "A0" at -719,529 h80 r270
  text "A1" at -645,529 h80 r270
  text "5P" at 1777,524 h60 r90
  text "GND" at -1062,523 h50
  text "3V" at -1188,522 h50
  text "5V" at -1291.32,519.89 h50
  text "VOUT" at -1144,479 h60
  text "4N" at 1985,434 h60 r90
  text "5N" at 1777,433 h60 r90
  text "EEPROM" at -575,375 h55
  text "GND" at 1879.2,350.74 h50 r90
  text "ADDR" at -575,335 h55
  text "CFG FLASH" at 1636.5,318.17 h50 r90
  text "ENABLE" at 1672.34,310 h50 r90
  text "SELECT" at -575,297 h50
  text "3V3" at 1880.2,236.74 h50 r90
  text "3V" at 233,132.57 h60
  text "5V" at 329,130 h60
  text "GND" at 499,130 h60
  text "5V" at -272,37 h50
  text "GND" at -555,36 h50
  text "SS" at 723,32 h50
  text "SDA" at 344,31 h50
  text "GND" at 1597.5,31 h50
  text "MOSI" at 854,30 h50
  text "GND" at -556,-62 h50
  text "GND" at 1594,-63 h50
  text "5V" at -277,-67 h50
  text "SCL" at 336,-67 h50
  text "MISO" at 847,-69 h50
  text "SCK" at 945,-71.55 h50
Mechanical 2:
  lines w35: -1143,1975 -1143,1350 -600,1350 -600,650 -1375,650 -1375,75 ccw(c-1125,75) -1125,-175 1475,-175 ; 2130,200 2130,1620
Mechanical 3:
  lines w20: -3775.96,745 -1375.96,745 ; -3775.96,2845 5174.04,2845
  text "PCB Fabrication Notes" at -3755.96,2965 h150
  text "Unless otherwise specified, all dimensions are in inches" at -3787,2645 h100
  text "Overall Dimension:  3.471\"  x  2.685\"" at -3787,2545 h100
  text "Finished Thickness:  .062\"" at -3787,2445 h100
  text "Layer Count: 4" at -3787,2345 h100
  text "Min Thru Hole: 13 mil" at -3787,2256 h100
  text "Annular Ring: 7 mil" at -3787,2163 h100
  text "Min Trace/Space: 6 mil" at -3787,2068 h100
  text "Drill Count:" at -3787,1962 h100
  text ".hole_Count" at -3191.96,1962 h100
  text "PAD Count:" at -3787,1862 h100
  text ".pad_Count" at -3191.96,1862 h100
  text "Component Count:" at -3787,1762 h100
  text ".Component_Count" at -2991.96,1762 h100
  text "Via Count:" at -3787,1662 h100
  text ".Via_Count" at -3191.96,1662 h100
  text "Plating: Gold ENIG" at -3787,1440.73 h100
  text "Solder Mask:  Black" at -3787,1341 h100
  text "Legend:  White Non-Conductive Ink LPI Process" at -3787,1241 h100
  text "RS274-X Gerber Format, 2.5 Leading Zeros Suppressed" at -3787,1141 h100
  text "Excellon Drill Format, 2.5 Trailing Zeros Suppressed" at -3787,1041 h100
  text "Layer Details" at -3775.96,845 h100
  text "4-Layer Stackup" at -2975.96,845 h100
  text "POLARITY" at -2075.96,845 h100
  text ".GTL - Top Copper" at -3775.96,645 h100
  text "POSITIVE" at -2075.96,645 h100
  text ".G1 - Inner Copper (Ground)" at -3775.96,545 h100
  text "POSITIVE" at -2075.96,545 h100
  text ".G2 - Inner Copper (VDD)" at -3775.96,445 h100
  text "POSITIVE" at -2075.96,445 h100
  text ".GBL - Bottom Copper" at -3775.96,345 h100
  text "POSITIVE" at -2077,344.54 h100
  text ".GTO - Top Silkscreen" at -3775.96,145 h100
  text ".GBO - Bottom Silkscreen" at -3775.96,45 h100
  text ".GTP - Top Solder Paste" at -3775.96,-55 h100
  text ".GBP - Bottom Solder Paste" at -3775.96,-155 h100
  text ".GTS -  Top Solder Mask" at -3775.96,-255 h100
  text ".GBS - Bottom Solder Mask" at -3775.96,-355 h100
  text ".GKO - Board Outline" at -3775.96,-455 h100
  text ".GM1 - 3D Part Bodies - System" at -3775.96,-555 h100
  text ".GM2 - Board Dimensions" at -3775.96,-655 h100
  text ".GM3 - Single Board Fabrication Notes" at -3775.96,-755 h100
  text ".GM4 - Single Board Score/Tab Route" at -3775.96,-855 h100
  text ".GM13 - 3D Body Alt" at -3775.96,-955 h100
  text ".GM15 - Assembly Outlines - Top" at -3775.96,-1055 h100
  text ".GM20 - Panel Dimensions" at -3775.96,-1155 h100
  text ".GM21 - Panel Score/Tab Route" at -3775.96,-1255 h100
  text ".GM22 - Panel Dimensions" at -3775.96,-1355 h100
  text ".TXT/.DRL - NC-Drill" at -3775.96,-1555 h100
Mechanical 5:
  lines w35: -1143.63,1869.01 cw(c-932.5,1866.5) -916,2077 ; -1143,1857 -1143,1350 -600,1350 -600,650 -1375,650 -1375,-150 ccw(c-1044.21,-58.95) -1050,-402 1486.75,-402 ; -923,2077 1402,2077 cw(c1350.8,1404.73) 2025,1410 ; 1486.49,-402 ccw(c1486.75,137.44) 2025,101.59 2025,1425
Mechanical 6:
  lines w10: -1360,-590.03 -1360.01,-570.03 ; -1300,-600 -1360.01,-580.03 ; -1300.02,-560 -1360.01,-580.03 ; 59.08,-579.36 -1360.01,-580.03 ; 620.9,-579.1 2039.99,-578.43 ; 1980,-598.46 2039.99,-578.43 ; 1979.98,-558.46 2039.99,-578.43 ; 2040,-588.43 2039.99,-568.43 ; 2644.01,-195.09 2664.01,-255.09 ; 2644.01,1936.91 2664.01,1996.91 ; 2654.01,-255.09 2674.01,-255.09 ; 2654.01,1996.91 2674.01,1996.91 ; 2664.01,590 2664.01,-255.09 ; 2664.01,1151.83 2664.01,1996.91 ; 2684.01,-195.09 2664.01,-255.09 ; 2684.01,1936.91 2664.01,1996.91
  text "2252 (mil)" at 2700,600 h60 r90
  text "3400 (mil)" at 69.09,-615.35 h60 r0.03
Mechanical 7:
  circle w5: c-1376.43,-174.82 r0.02
  circle w5: c-1377.12,-174.82 r0.02
  circle w5: c-1376.53,-174.82 r0.02
  circle w5: c-1377.22,-174.82 r0.02
  circle w5: c-1376.62,-174.82 r0.02
  circle w5: c-1377.32,-174.82 r0.02
  circle w5: c-1376.72,-174.82 r0.02
  circle w5: c-1377.43,-174.82 r0.02
  circle w5: c-1376.82,-174.82 r0.02
  circle w5: c-1377.53,-174.82 r0.02
  circle w5: c-1376.93,-174.82 r0.02
  circle w5: c-1375.62,-174.82 r0.02
  circle w5: c-1377.03,-174.82 r0.02
  circle w5: c-1375.72,-174.82 r0.02
  circle w5: c-1377.72,-174.82 r0.02
  circle w5: c-1375.82,-174.82 r0.02
  circle w5: c-1376.03,-174.82 r0.02
  circle w5: c-1375.93,-174.82 r0.02
  circle w5: c-1377.62,-174.82 r0.02
  circle w5: c-1376.32,-174.82 r0.02
  circle w5: c-1376.22,-174.82 r0.02
  circle w5: c-1376.12,-174.82 r0.02
  circle w5: c-1376.53,-172.93 r0.02
  circle w5: c-1376.43,-172.93 r0.02
  circle w5: c-1376.62,-172.93 r0.02
  circle w5: c-1376.82,-172.93 r0.02
  circle w5: c-1376.72,-172.93 r0.02
  circle w5: c-1377.72,-172.93 r0.02
  circle w5: c-1375.72,-172.93 r0.02
  circle w5: c-1377.12,-172.93 r0.02
  circle w5: c-1375.82,-172.93 r0.02
  circle w5: c-1377.22,-172.93 r0.02
  circle w5: c-1375.93,-172.93 r0.02
  circle w5: c-1377.32,-172.93 r0.02
  circle w5: c-1376.03,-172.93 r0.02
  circle w5: c-1377.43,-172.93 r0.02
  circle w5: c-1376.12,-172.93 r0.02
  circle w5: c-1377.53,-172.93 r0.02
  circle w5: c-1376.93,-172.93 r0.02
  circle w5: c-1375.62,-172.93 r0.02
  circle w5: c-1377.03,-172.93 r0.02
  circle w5: c-1376.32,-172.93 r0.02
  circle w5: c-1376.22,-172.93 r0.02
  circle w5: c-1377.62,-172.93 r0.02
  circle w5: c-1375.53,-174.82 r0.02
  circle w5: c-1375.53,-172.93 r0.02
  circle w5: c-1376.12,-174.93 r0.02
  circle w5: c-1377.43,-174.93 r0.02
  circle w5: c-1376.43,-174.93 r0.02
  circle w5: c-1377.53,-174.93 r0.02
  circle w5: c-1376.22,-174.93 r0.02
  circle w5: c-1377.62,-174.93 r0.02
  circle w5: c-1376.32,-174.93 r0.02
  circle w5: c-1377.72,-174.93 r0.02
  circle w5: c-1376.03,-174.93 r0.02
  circle w5: c-1376.72,-174.93 r0.02
  circle w5: c-1375.72,-174.93 r0.02
  circle w5: c-1376.82,-174.93 r0.02
  circle w5: c-1376.53,-174.93 r0.02
  circle w5: c-1376.93,-174.93 r0.02
  circle w5: c-1375.62,-174.93 r0.02
  circle w5: c-1377.03,-174.93 r0.02
  circle w5: c-1377.22,-174.93 r0.02
  circle w5: c-1377.12,-174.93 r0.02
  circle w5: c-1377.32,-174.93 r0.02
  circle w5: c-1375.82,-174.93 r0.02
  circle w5: c-1376.62,-174.93 r0.02
  circle w5: c-1375.93,-174.93 r0.02
  circle w5: c-1377.43,-173.03 r0.02
  circle w5: c-1376.72,-173.03 r0.02
  circle w5: c-1377.53,-173.03 r0.02
  circle w5: c-1376.03,-173.03 r0.02
  circle w5: c-1376.22,-173.03 r0.02
  circle w5: c-1376.12,-173.03 r0.02
  circle w5: c-1376.32,-173.03 r0.02
  circle w5: c-1377.72,-173.03 r0.02
  circle w5: c-1376.43,-173.03 r0.02
  circle w5: c-1376.82,-173.03 r0.02
  circle w5: c-1376.53,-173.03 r0.02
  circle w5: c-1377.62,-173.03 r0.02
  circle w5: c-1376.62,-173.03 r0.02
  circle w5: c-1377.32,-173.03 r0.02
  circle w5: c-1375.62,-173.03 r0.02
  circle w5: c-1377.03,-173.03 r0.02
  circle w5: c-1375.72,-173.03 r0.02
  circle w5: c-1377.12,-173.03 r0.02
  circle w5: c-1375.82,-173.03 r0.02
  circle w5: c-1376.93,-173.03 r0.02
  circle w5: c-1375.93,-173.03 r0.02
  circle w5: c-1377.22,-173.03 r0.02
  circle w5: c-1375.53,-174.93 r0.02
  circle w5: c-1375.53,-173.03 r0.02
  circle w5: c-1377.93,-174.75 r0.06
  circle w5: c-1375.3,-172.97 r0.06
  circle w5: c-1377.93,-173.1 r0.06
  circle w5: c-1375.3,-174.88 r0.06
  lines w5: -1378.15,-174.45 ccw(c-1377.6,-174.45) -1377.6,-175 -1375,-175 ccw(c-1375,-174.75) -1374.75,-174.75 -1374.75,-174.18 -1375.53,-174.18 -1375.53,-173.47 -1374.98,-173.47 -1374.98,-172.85 -1377.6,-172.85 ccw(c-1377.6,-173.4) -1378.15,-173.4 -1378.15,-174.45
Mechanical 11:
  lines w30: -1143,1330 -1143,1875.3 cw(c-938.98,1873.6) -923,2077 1608.6,2077 cw(c1544.54,1499.57) 2125,1475.13 ; 1596.18,-175 ccw(c1510.3,434.3) 2125,461.95
  lines w35: -1375,-150 -1375,650 -600,650 -600,1350 -1143,1350 -1143,1857 ; -1143.63,1869.01 cw(c-932.5,1866.5) -916,2077 ; -923,2077 1402,2077 cw(c1350.8,1404.73) 2025,1410 ; 2025,101.59 2025,1425
Mechanical 14:
  circle w10: c1000,0 r22.5
  circle w10: c1100,0 r22.5
  circle w10: c1200,0 r22.5
  circle w10: c1300,0 r22.5
  circle w10: c700,0 r22.5
  circle w10: c1400,0 r22.5
  circle w10: c800,0 r22.5
  circle w10: c900,0 r22.5
  circle w10: c1600,0 r22.5
  circle w10: c1500,0 r22.5
  circle w10: c700,1900 r22.5
  circle w10: c1600,1900 r22.5
  circle w10: c1000,1900 r22.5
  circle w10: c1100,1900 r22.5
  circle w10: c1200,1900 r22.5
  circle w10: c1300,1900 r22.5
  circle w10: c1400,1900 r22.5
  circle w10: c800,1900 r22.5
  circle w10: c900,1900 r22.5
  circle w10: c1500,1900 r22.5
  circle w10: c1300,-100 r22.5
  circle w10: c1400,-100 r22.5
  circle w10: c1500,-100 r22.5
  circle w10: c1600,-100 r22.5
  circle w10: c700,-100 r22.5
  circle w10: c800,-100 r22.5
  circle w10: c900,-100 r22.5
  circle w10: c1100,-100 r22.5
  circle w10: c1000,-100 r22.5
  circle w10: c1200,-100 r22.5
  circle w10: c1300,1800 r22.5
  circle w10: c1400,1800 r22.5
  circle w10: c1600,1800 r22.5
  circle w10: c700,1800 r22.5
  circle w10: c1500,1800 r22.5
  circle w10: c1200,1800 r22.5
  circle w10: c900,1800 r22.5
  circle w10: c1000,1800 r22.5
  circle w10: c800,1800 r22.5
  circle w10: c1100,1800 r22.5
  circle w10: c1800,75 r57.5
  circle w10: c1800,1725 r57.5
  circle w10: c300,0 r22.5
  circle w10: c400,0 r22.5
  circle w10: c500,0 r22.5
  circle w10: c600,0 r22.5
  circle w10: c-500,0 r22.5
  circle w10: c-400,0 r22.5
  circle w10: c-300,0 r22.5
  circle w10: c-100,0 r22.5
  circle w10: c-200,0 r22.5
  circle w10: c200,0 r22.5
  circle w10: c100,0 r22.5
  circle w10: c0,0 r22.5
  circle w10: c400,1900 r22.5
  circle w10: c300,1900 r22.5
  circle w10: c500,1900 r22.5
  circle w10: c600,1900 r22.5
  circle w10: c-400,1900 r22.5
  circle w10: c-300,1900 r22.5
  circle w10: c-200,1900 r22.5
  circle w10: c-100,1900 r22.5
  circle w10: c0,1900 r22.5
  circle w10: c-500,1900 r22.5
  circle w10: c200,1900 r22.5
  circle w10: c100,1900 r22.5
  circle w10: c-600,1900 r22.5
  circle w10: c0,-100 r22.5
  circle w10: c300,-100 r22.5
  circle w10: c100,-100 r22.5
  circle w10: c200,-100 r22.5
  circle w10: c-100,-100 r22.5
  circle w10: c600,-100 r22.5
  circle w10: c-400,-100 r22.5
  circle w10: c400,-100 r22.5
  circle w10: c-500,-100 r22.5
  circle w10: c-300,-100 r22.5
  circle w10: c500,-100 r22.5
  circle w10: c-200,-100 r22.5
  circle w10: c600,1800 r22.5
  circle w10: c-100,1800 r22.5
  circle w10: c100,1800 r22.5
  circle w10: c0,1800 r22.5
  circle w10: c200,1800 r22.5
  circle w10: c300,1800 r22.5
  circle w10: c400,1800 r22.5
  circle w10: c500,1800 r22.5
  circle w10: c-500,1800 r22.5
  circle w10: c-400,1800 r22.5
  circle w10: c-300,1800 r22.5
  circle w10: c-200,1800 r22.5
  circle w10: c-600,-100 r22.5
  circle w10: c-600,1800 r22.5
  circle w10: c-825,1850 r57.5
  circle w10: c-825,-50 r57.5
  lines w10: -1375,75 ccw(c-1125,75) -1125,-175 1475,-175 ccw(c1475,375) 2025,375 2025,1425 ccw(c1475,1425) 1475,1975 -1143,1975 -1143,1350 -600,1350 -600,650 -1375,650 -1375,75
Mechanical 15:
  circle w40: c800,100 r19.74
  circle w40: c-100,100 r18.79
  circle w40: c600,2000 r14.87
  circle w40: c-460,2000 r13.93
Mechanical 22:
  lines w10: 1486.49,-402 ccw(c1486.75,137.44) 2025,101.59 2025,1410 ccw(c1350.8,1404.73) 1402,2077 -935.64,2077 ccw(c-935.64,1869.64) -1143,1869.64 -1143,1350 -600,1350 -600,650 -1375,650 -1375,-150 ccw(c-1044.21,-58.95) -1050,-402 1486.75,-402

## Text inside footprints (layer, text, board x,y; h text height)
PA-3: Top Overlay "D7" at 563.47,1890.21 h50 r90; Top Overlay "D6" at 663.5,1888.12 h50 r90; Top Overlay "D5" at 763.47,1890.21 h50 r90; Top Overlay "D4" at 863.47,1890.21 h50 r90; Top Overlay "D3" at 968,1889 h50 r90; Top Overlay "D2" at 1068,1888 h50 r90; Top Overlay "TX" at 1163.5,1884.88 h50 r90; Top Overlay "RX" at 1267.24,1881.09 h50 r90
PA-4: Top Overlay "SDA" at -340.32,1850 h50 r90; Top Overlay "SCL" at -440.32,1860 h50 r90; Top Overlay "AREF" at -230.32,1830 h50 r90; Top Overlay "GND" at -130.32,1850 h50 r90; Top Overlay "D13" at -30.32,1860 h50 r90; Top Overlay "D12" at 69.68,1860 h50 r90; Top Overlay "D11" at 169.68,1860 h50 r90; Top Overlay "D10" at 269.68,1860 h50 r90; Top Overlay "D9" at 369.68,1890 h50 r90; Top Overlay "D8" at 469.68,1890 h50 r90
SW2: Top Overlay "ON" at -407.87,336 h50 r90; Top Overlay "OFF" at -407.87,154 h50 r90